# Altium PCB PCB_Motors.PcbDoc
Units mm, origin at the board's own origin, x right, y up, seen from the top; angles counter-clockwise.
Board outline 30.4 x 19 mm, 4 copper layers (Top Layer, MidPlane Top, MidPlane Bottom, Bottom Layer), stack 0.603 mm thick; 76 components, 50 nets, 278 pads, 280 vias.
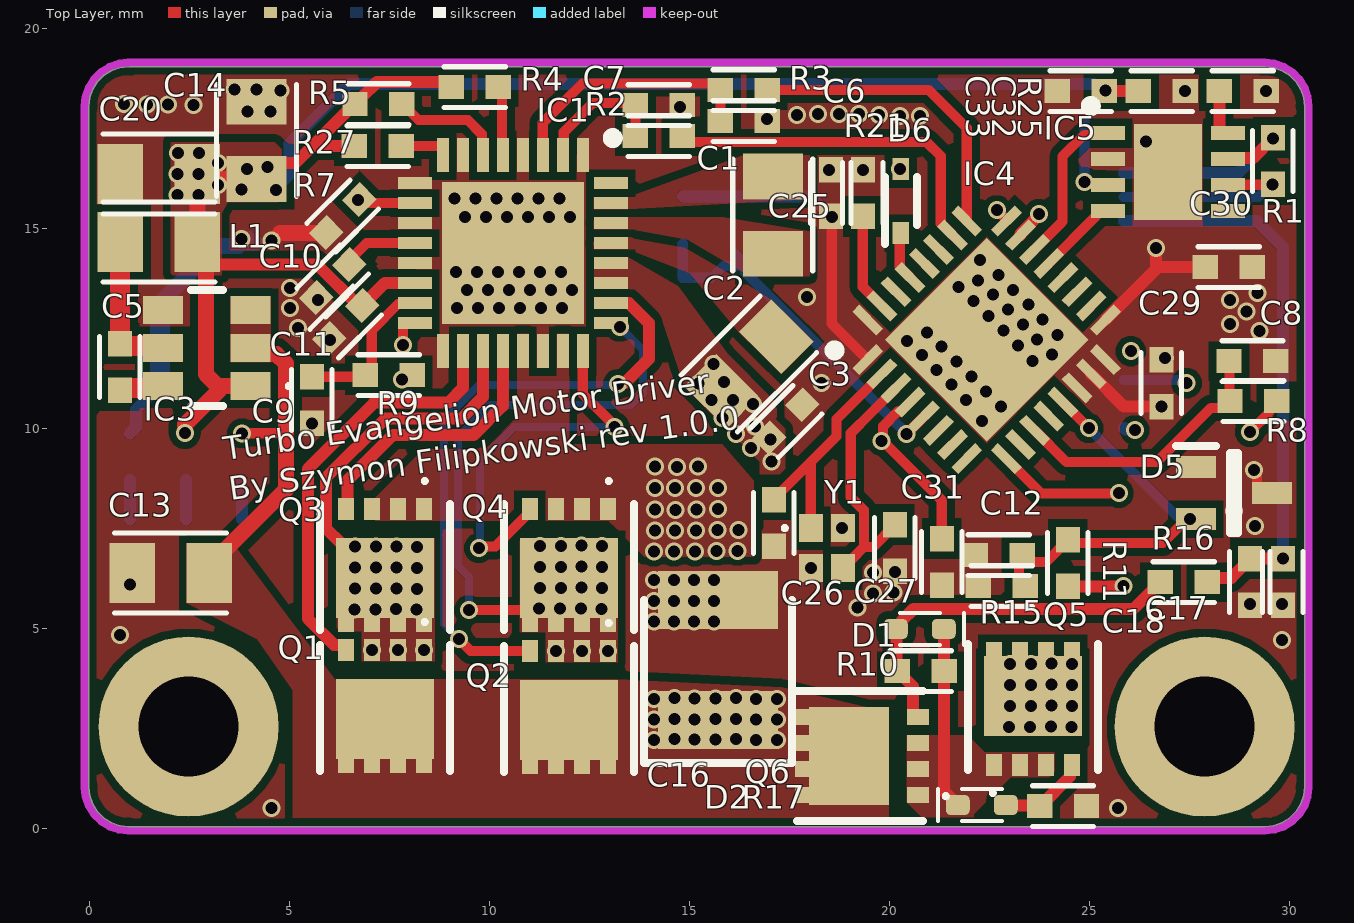
[diagram p0: Top Layer view]
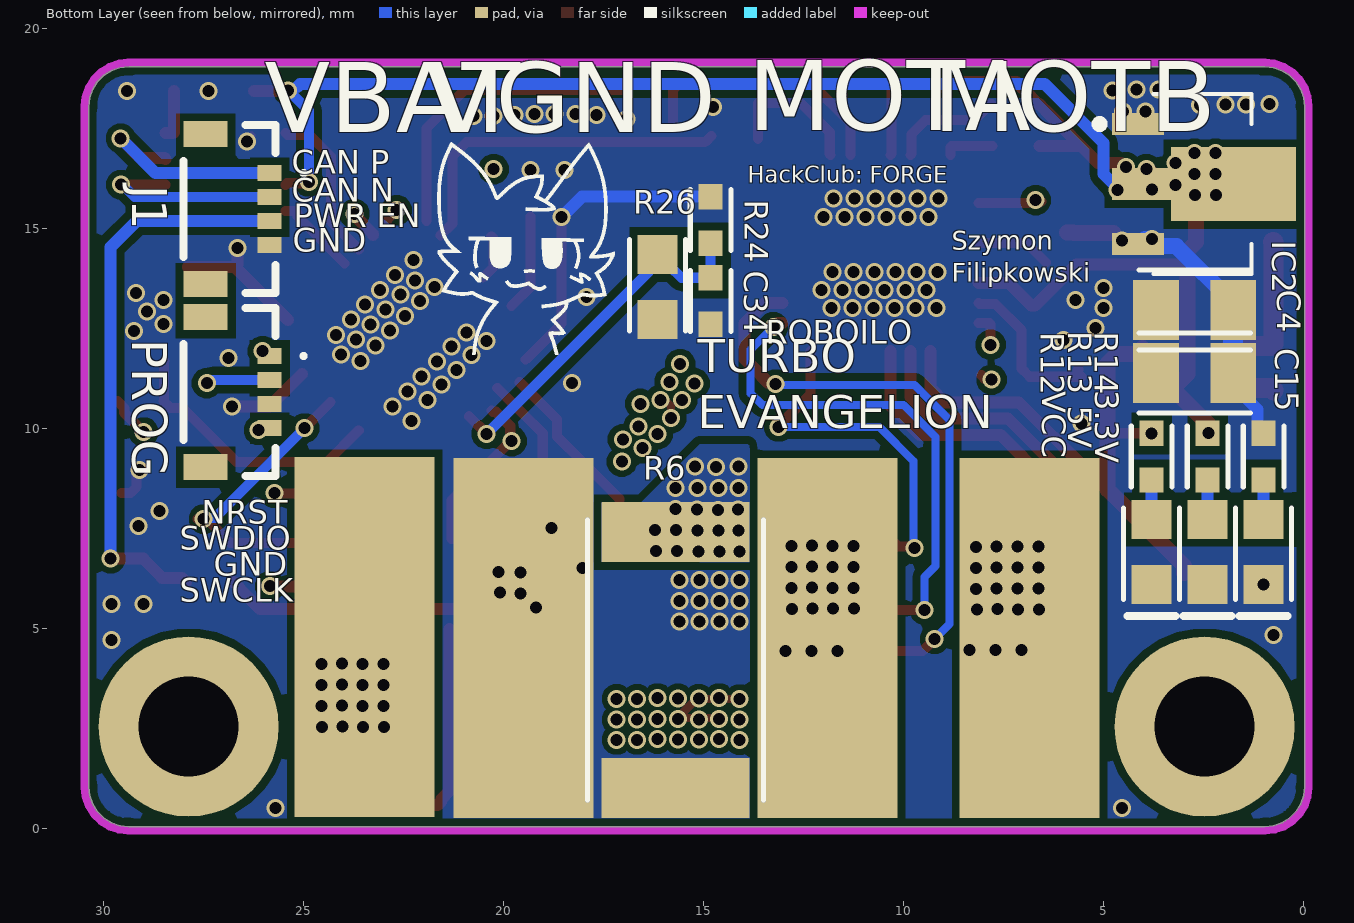
[diagram p1: Bottom Layer view, seen from below]
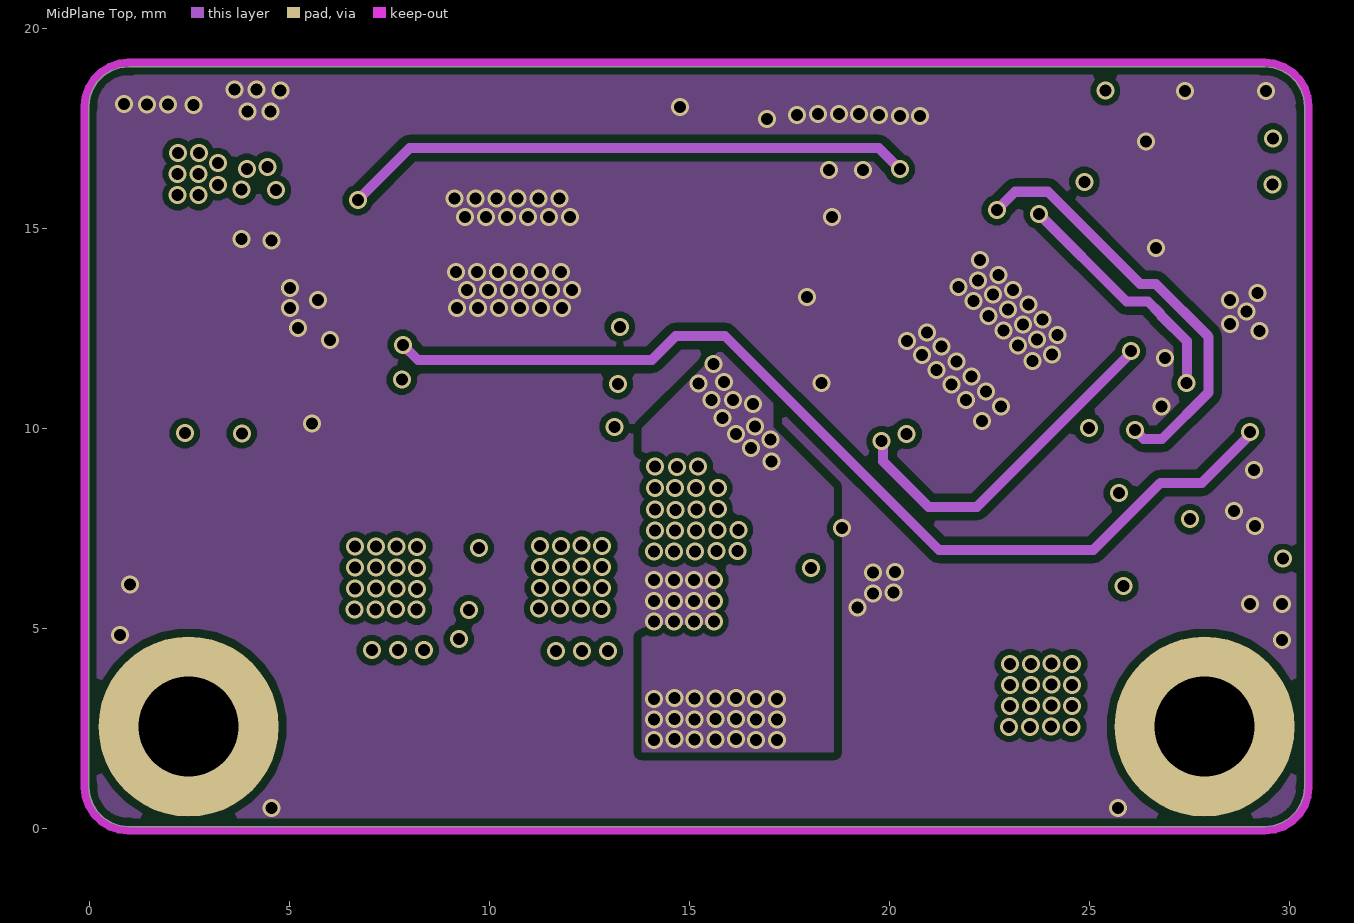
[diagram p2: MidPlane Top]
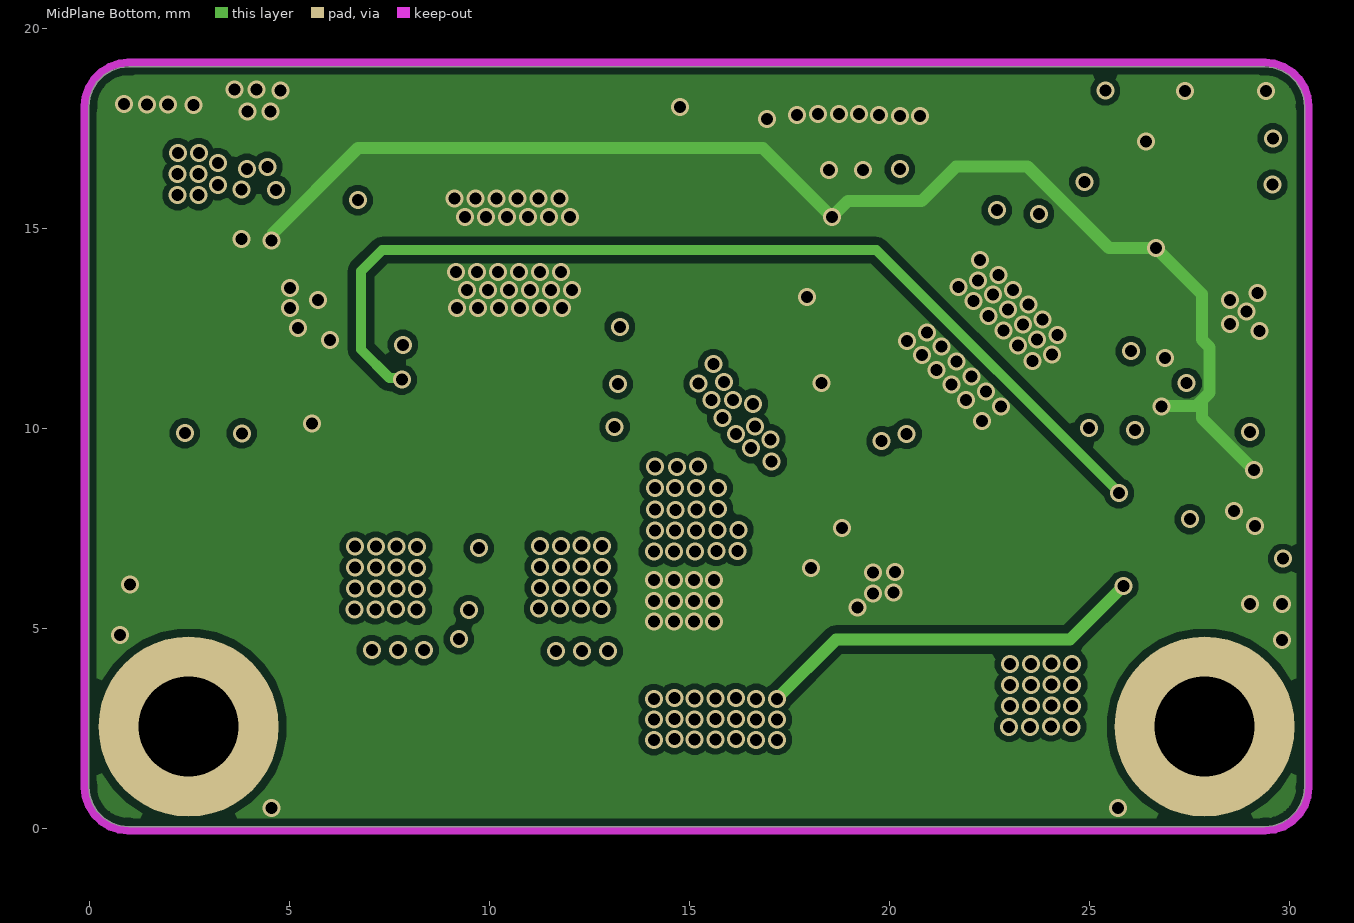
[diagram p3: MidPlane Bottom]
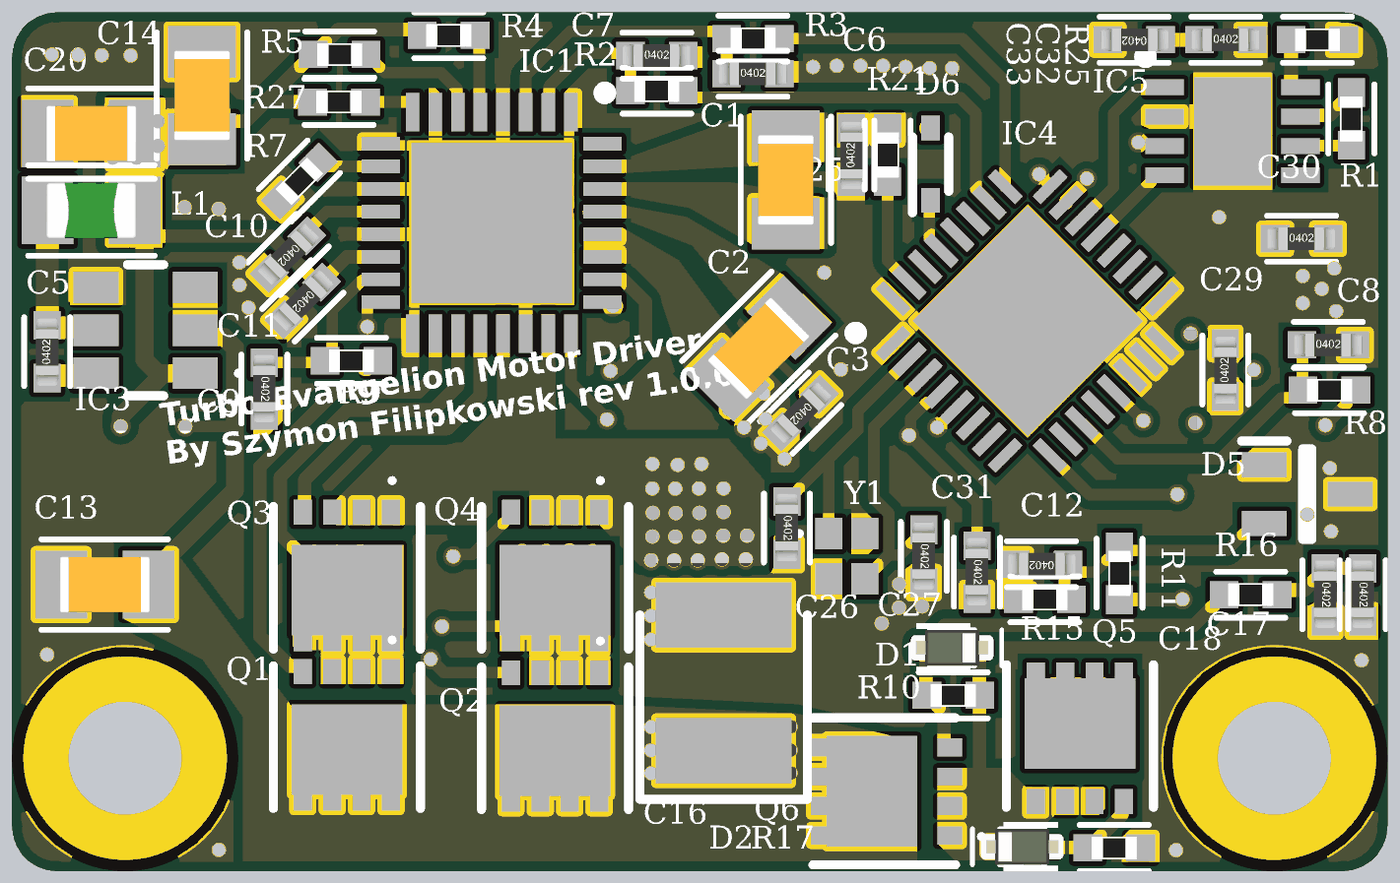
[diagram p4: 3D render of the assembled board from above, using the file's embedded part models]
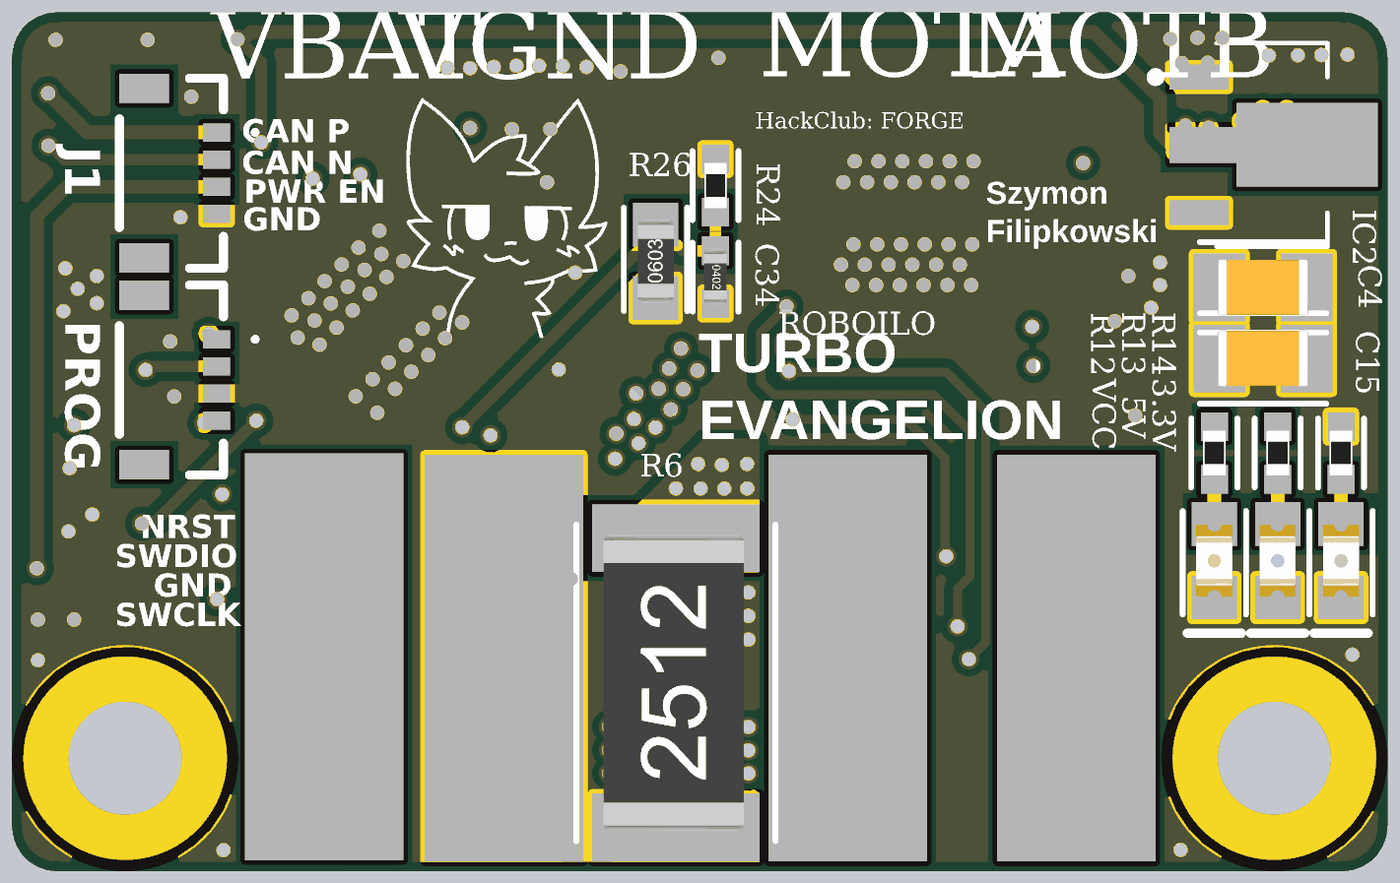
[diagram p5: 3D render of the assembled board from below, using the file's embedded part models]

## Layer stack, top to bottom
Top Solder: solder mask 0.0102, Solder Resist, Dk 3.5
Top Layer: signal copper 0.0356
Dielectric 2: prepreg 0.0711, PP-006, Dk 4.1
MidPlane Top: signal copper 0.035
Dielectric 1: dielectric 0.32, FR-4, Dk 4.8
MidPlane Bottom: signal copper 0.035
Dielectric 3: prepreg 0.0711, PP-006, Dk 4.1
Bottom Layer: signal copper 0.0356
Bottom Solder: solder mask 0.0102, Solder Resist, Dk 3.5

## Board outline
30.373,18.034 30.348,18.257 30.274,18.468 30.155,18.657 29.996,18.816 29.807,18.935 29.596,19.009 29.373,19.034 0.973,19.034 0.75,19.009 0.539,18.935 0.35,18.816 0.191,18.657 0.072,18.468 -0.002,18.257 -0.027,18.034 -0.027,1.034 -0.002,0.811 0.072,0.6 0.191,0.411 0.35,0.252 0.539,0.133 0.75,0.059 0.973,0.034 29.373,0.034 29.596,0.059 29.807,0.133 29.996,0.252 30.155,0.411 30.274,0.6 30.348,0.811 30.373,1.034

## Design rules (kind name [scope] priority, off if disabled: settings)
BoardOutlineClearance [All] p1: gap=0.2 ignorepadtopadclearanceinfootprint=FALSE
Clearance [All] p1: gap=0.2 ignorepadtopadclearanceinfootprint=TRUE except(0.1: Arc-Arc Arc-Track Arc-SMDPad Track-Track Track-SMDPad; 0.15: SMDPad-SMDPad Via-Fill Via-Poly Via-Region)
DiffPairsRouting [All] p1: maxlimit=10 minlimit=0.01 mostfreqgap=0.254 toplayer_minwidth=0.1 toplayer_maxwidth=2 toplayer_prefwidth=0.254 midlayer1_minwidth=0.1 midlayer1_maxwidth=2 midlayer1_prefwidth=0.254 midlayer2_minwidth=0.1 midlayer2_maxwidth=2 midlayer2_prefwidth=0.254 bottomlayer_minwidth=0.1 bottomlayer_maxwidth=2 bottomlayer_prefwidth=0.254 maxuncoupledlength=12.7
HoleSize [All] p1: absolutevalues=TRUE maxlimit=6 minlimit=0.3 maxpercent=80.000 minpercent=20.000
HoleToHoleClearance [All] p1: gap=0.2 allowstackedmicrovias=TRUE
MinimumSolderMaskSliver [All] p1: minsoldermaskwidth=0.13
PlaneClearance [All] p1: clearance=0.3
PlaneConnect PlaneConnect_1 [(HasFootprint('R 2512'))] p1: planeconnectstyle=Relief reliefexpansion=0.508 reliefentries=4 reliefconductorwidth=0.254 reliefairgap=0.254
PlaneConnect [All] p2: planeconnectstyle=Relief reliefexpansion=0.508 reliefentries=4 reliefconductorwidth=0.254 reliefairgap=0.254
PolygonConnect "Polygon Power Connection" [(HasFootprint('DFN 5x6')) OR  (HasFootprint('R 2512')) OR  IsVia OR  HasFootprint('SMD PAD')  OR  (HasFootprint('DJNR60454R5FERROCORE'))  OR  (HasFootprint ('SON50P200X200X80-9N-D')) OR (HasFootprint('SOT230P700X180-4N'))  OR    InNetClass('Power')] p1: connectstyle=Direct reliefconductorwidth=0.254 reliefentries=4 polygonreliefangle="90 Angle" airgapwidth=0.254 // Conection to high power components
PolygonConnect [All] p2: connectstyle=Direct reliefconductorwidth=0.254 reliefentries=4 polygonreliefangle="90 Angle" airgapwidth=0.254
RoutingVias [All] p1: holewidth=0.2 width=0.3 viastyle="Through Hole" minholewidth=0.2 minwidth=0.25 maxholewidth=6 maxwidth=1.27
SilkToSilkClearance [All] p1: silktosilkclearance=0.127
SilkToSolderMaskClearance [IsPad] p1: minsilkscreentomaskgap=0.15 clearancetoexposedcopper=TRUE
SolderMaskExpansion [All] p1: expansion=0.102 istentingtop=FALSE
Width [All] p1: maxlimit=1 minlimit=0.1 preferedwidth=0.2
22 further rules are at their usual default settings.

## Classes and differential pairs
component class U_PowerSupply: C4 C5 C13 C14 C15 C16 C17 C18 C20 D1 D2 IC2 IC3 L1 Q5 Q6 R10 R16 R17
component class U_MotorDriver: C1 C2 C3 C6 C7 C8 C9 C10 C11 IC1 Q1 Q2 Q3 Q4 R2 R3 R4 R5 R6 R7 R8 R9 R27
component class U_MCU: C12 C25 C26 C27 C29 C30 C31 C32 C33 C34 D5 D6 IC4 IC5 PROG R11 R15 R21 R24 R25 R26 Y1
component class U_Interface: 3.3V 5V J1 MOTA MOTB R12 R13 R14 VBAT "VBAT +" VGND "VGND -"
component class PCB_motors: R1

## Components (designator, comment, footprint, x,y, rotation, side; value= is the part's Value field where it differs from the comment)
3.3V "LED GREEN" "LED 0603 GREEN" 1,6.9 r270 bottom
5V "LED BLUE" "LED 0603 BLUE" 2.4,6.9 r270 bottom
C1 "100nF 100V" "C 0805" 17.075,15.325 r270 top
C2 "1uF 50V" "C 0805" 16.475,11.6 r225 top
C3 "100nF 50V" "C 0402" 17.402,10.168 r225 top
C4 "22uF" "C 0805" 2.725,12.95 r0 bottom
C5 "100nF" "C 0402" 0.75,11.525 r90 top
C6 "10pF" "C 0402" 16.35,17.675 r0 top
C7 "10pF" "C 0402" 14.225,18.075 r0 top
C8 "1nF" "C 0402" 29.066,11.675 r0 top
C9 "10pF" "C 0402" 5.55,10.7 r270 top
C10 "1uF" "C 0402" 6.075,13.675 r225 top
C11 "1uF" "C 0402" 6.4,12.65 r225 top
C12 "1uF" "C 0402" 22.725,6.825 r180 top
C13 "10uF 16v" "C 0805" 2.025,6.375 r0 top
C14 "22uF 16V" "C 0805" 4.172,17.194 r90 top
C15 "10uF" "C 0805" 2.725,11.375 r0 bottom
C16 "TL8B0336M020C (33uF tantalum cap)" CAPPC3528X100N 15.7,4.2 r90 top
C17 "1uF" "C 0402" 29.825,6.15 r270 top
C18 "100nF" "C 0402" 29,6.15 r270 top
C20 "22uF 16V" "C 0805" 1.725,16.35 r180 top
C25 "100nF" "C 0402" 18.525,15.875 r90 top
C26 "10pF" "C 0402" 17.1,7.625 r270 top
C27 "10pF" "C 0402" 20.125,7 r270 top
C29 "100nF" "C 0402" 26.789,11.121 r90 top
C30 "100nF" "C 0402" 28.475,14.025 r0 top
C31 "1uF" "C 0402" 21.3,6.65 r270 top
C32 "1uF" "C 0402" 26.8,18.425 r0 top
C33 "100nF" "C 0402" 24.775,18.425 r180 top
C34 "1uF" "C 0402" 14.825,13.175 r270 bottom
D1 "" SOD523 20.75,4.975 r0 top
D2 "" SOD523 22.3,0.575 r180 top
D5 "BAV199W-7" SOT65P210X110-3N 28.6,8.375 r0 top
D6 "BAS5202VH6327XTSA1" SODFL1608X59N 20.275,15.675 r90 top
IC1 "DRV8702QRHBRQ1" QFN50P500X500X90-33N-D 10.575,14.375 r270 top
IC2 "AZ1117CR2-3.3TRG1" AZ1117CR33TRG1 1.3,16.1 r270 bottom
IC3 "AP63203WU-7" AP63203WU7 2.925,12 r90 top
IC4 "STM32G431K6U3" QFN50P500X500X60-33N-D 22.42,12.205 r45 top locked
IC5 "TCAN1042VDRBTQ1" SON65P300X300X100-9N-D 26.95,16.4 r0 top
J1 "DF53-4S-0.6H" DF534S06H 26.775,15.475 r270 bottom
L1 "22uH" "L 0805" 1.725,14.65 r180 top
MOTA "banana_plug" "Banana plug 3mm half" 11.9,4.75 r180 bottom locked
MOTB "banana_plug" "Banana plug 3mm half" 6.85,4.75 r180 bottom locked
PROG "DF53-4S-0.6H" DF534S06H 26.775,10.9 r270 bottom
Q1 "Model?" DFN33 7.375,3 r180 top
Q2 "Model?" DFN33 11.975,2.975 r180 top
Q3 "Model?" DFN33 7.375,6.525 r180 top
Q4 "Model?" DFN33 11.975,6.525 r180 top
Q5 "P mos power" dfn33 23.575,3.025 r0 top
Q6 "P mos power" dfn33 19.25,1.8 r90 top
R1 "120R" "R 0402" 29.575,16.675 r270 top
R2 "1k" "R 0402" 14.225,17.3 r180 top
R3 "1k" "R 0402" 16.35,18.45 r180 top
R4 "470R" "R 0402" 9.625,18.525 r0 top
R5 "470R" "R 0402" 7.216,18.1 r0 top
R6 "20mR" "R 2512" 15.7,4.2 r90 bottom
R7 "10k" "R 0402" 6.325,15.3 r225 top
R8 "10k" "R 0402" 29.091,10.675 r0 top
R9 "10k" "R 0402" 7.475,11.325 r180 top
R10 "47K" "R 0402" 20.775,3.925 r0 top
R11 "91k" "R 0402" 24.45,6.625 r270 top
R12 "10k" "R 0402" 3.8,9.284 r90 bottom
R13 "2.1K" "R 0402" 2.4,9.284 r90 bottom
R14 "1k" "R 0402" 1,9.284 r90 bottom
R15 "10k" "R 0402" 22.8,6.05 r0 top
R16 "10K" "R 0402" 27.35,6.15 r180 top
R17 "10k" "R 0402" 24.334,0.55 r180 top
R21 "100k" "R 0402" 19.325,15.875 r270 top
R24 "10k" "R 0402" 14.825,15.2 r90 bottom
R25 "10k" "R 0402" 28.825,18.425 r180 top
R26 "NTC 10k" "R 0603" 16.15,13.525 r90 bottom
R27 "10K" "R 0402" 7.2,17.05 r0 top
VBAT "banana_plug" "Banana plug 3mm half" 23.475,4.775 r180 bottom
VCC "LED RED" "LED 0603 RED" 3.8,6.9 r270 bottom
VGND "banana_plug" "Banana plug 3mm half" 19.5,4.75 r180 bottom
Y1 "US3200005Z" US3200005Z 18.425,7 r270 top

## Footprints (in the part's own frame and the unit in brackets; to place one, negate y for a bottom-side part, rotate by r counter-clockwise, add the part's x,y. Pads: shape width x height; smd on the part's side, far side on the other; paste and mask are expansions set on the pad)
AP63203WU7 [mm]
  rect 0.7x1 smd: 1(-0.95,-1.099) 2(0,-1.099) 3(0.95,-1.099) 4(0.95,1.099) 5(0,1.099) 6(-0.95,1.099)
  silkscreen extent -1.45,-2.1 1.45,0.4, body extent -1.45,-1.45 1.45,1.45, height 1
AZ1117CR33TRG1 [mm]
  rect 0.55x1.3 smd: 1(-1.5,-2.838) 3(1.5,-2.838)
  rect 0.8x1.475 smd: 2(0,-2.75)
  rect 1.85x3.125 smd: 4(0,-0.45)
  silkscreen extent -2.25,-3.9 2.25,0, body extent -2.2,-3.37 2.2,0.58, height 1.4
"Banana plug 3mm half" [mm]
  rect 3.5x9 smd: 1(0,0)
"C 0402" [mm] "MLCC Capacitor 0402"
  rect 0.635x0.6 smd: 1(-0.584,0) 2(0.584,0)
  silkscreen extent -0.76,-0.51 0.76,0.51, body extent -0.76,-0.25 0.74,0.25, height 0.35
"C 0805" [mil]
  rect 45x59.06 smd: 1(-38,0) 2(38,0)
  silkscreen extent -55,-39 55,39, body extent -39,-25 39,25, height 49
CAPPC3528X100N [mm]
  rect 1.45x3 smd: 1(-1.5,0) 2(1.5,0)
  silkscreen extent -2.58,-1.85 1.5,1.85, body extent -1.75,-1.4 1.75,1.4, height 1
DF534S06H [mm]
  rect 0.4x0.6 smd: 1(-0.9,0.925) 2(-0.3,0.925) 3(0.3,0.925) 4(0.9,0.925)
  rect 0.65x1.1 smd: 5(-1.875,-0.675) 6(1.875,-0.675)
  silkscreen extent -2.1,-1.22 2.1,1.83, body extent -2.13,-1.22 2.13,1.18, height 1.75
DFN33 [mm]
  rect 0.4x0.55 smd: 1(-0.975,-1.45) 2(-0.325,-1.45) 3(0.325,-1.45) 4(0.975,-1.45)
  rect 0.4x0.4 smd: 5_8(-0.975,1.425) 5_8(-0.325,1.425) 5_8(0.325,1.425) 5_8(0.975,1.425)
  rect 2.45x2 smd: 5_8(0,0.275)
  silkscreen extent -1.63,-2.2 1.63,1.58, body extent -1.6,-1.65 1.6,1.55, height 0.8
dfn33 [mm]
  rect 0.4x0.55 smd: 1(-0.975,-1.45) 2(-0.325,-1.45) 3(0.325,-1.45) 4(0.975,-1.45)
  rect 0.4x0.4 smd: 5_8(-0.975,1.425) 5_8(-0.325,1.425) 5_8(0.325,1.425) 5_8(0.975,1.425)
  rect 2.45x2 smd: 5_8(0,0.275)
  silkscreen extent -1.63,-2.2 1.63,1.58, body extent -1.6,-1.65 1.6,1.55, height 0.8
"L 0805" [mil]
  rect 45x59.06 smd: 1(-38,0) 2(38,0)
  silkscreen extent -55,-39 55,39, body extent -39,-25 39,25, height 24
"LED 0603 BLUE" [mil]
  rect 38x39.37 smd: 1(-32,0) 2(32,0)
  silkscreen extent -43,-28 63,28, body extent -31,-16 31,16, height 22
"LED 0603 GREEN" [mil]
  rect 38x39.37 smd: 1(-32,0) 2(32,0)
  silkscreen extent -43,-28 63,28, body extent -31,-16 31,16, height 22
"LED 0603 RED" [mil]
  rect 38x39.37 smd: 1(-32,0) 2(32,0)
  silkscreen extent -43,-28 63,28, body extent -31,-16 31,16, height 22
QFN50P500X500X60-33N-D [mm]
  rect 0.85x0.25 smd: 1(-2.45,1.75) 2(-2.45,1.25) 3(-2.45,0.75) 4(-2.45,0.25) 5(-2.45,-0.25) 6(-2.45,-0.75) 7(-2.45,-1.25) 8(-2.45,-1.75) 17(2.45,-1.75) 18(2.45,-1.25) 19(2.45,-0.75) 20(2.45,-0.25) 21(2.45,0.25) 22(2.45,0.75) 23(2.45,1.25) 24(2.45,1.75)
  rect 0.25x0.85 smd: 9(-1.75,-2.45) 10(-1.25,-2.45) 11(-0.75,-2.45) 12(-0.25,-2.45) 13(0.25,-2.45) 14(0.75,-2.45) 15(1.25,-2.45) 16(1.75,-2.45) 25(1.75,2.45) 26(1.25,2.45) 27(0.75,2.45) 28(0.25,2.45) 29(-0.25,2.45) 30(-0.75,2.45) 31(-1.25,2.45) 32(-1.75,2.45)
  rect 3.6x3.6 smd: 33(0,0)
  silkscreen extent -3,2.38 -2.75,2.62, body extent -2.55,-2.55 2.55,2.55, height 0.6
QFN50P500X500X90-33N-D [mm]
  rect 0.85x0.3 smd: 1(-2.45,1.75) 2(-2.45,1.25) 3(-2.45,0.75) 4(-2.45,0.25) 5(-2.45,-0.25) 6(-2.45,-0.75) 7(-2.45,-1.25) 8(-2.45,-1.75) 17(2.45,-1.75) 18(2.45,-1.25) 19(2.45,-0.75) 20(2.45,-0.25) 21(2.45,0.25) 22(2.45,0.75) 23(2.45,1.25) 24(2.45,1.75)
  rect 0.3x0.85 smd: 9(-1.75,-2.45) 10(-1.25,-2.45) 11(-0.75,-2.45) 12(-0.25,-2.45) 13(0.25,-2.45) 14(0.75,-2.45) 15(1.25,-2.45) 16(1.75,-2.45) 25(1.75,2.45) 26(1.25,2.45) 27(0.75,2.45) 28(0.25,2.45) 29(-0.25,2.45) 30(-0.75,2.45) 31(-1.25,2.45) 32(-1.75,2.45)
  rect 3.55x3.55 smd: 33(0,0)
  silkscreen extent -3,2.38 -2.75,2.63, body extent -2.55,-2.55 2.55,2.55, height 0.9
"R 0402" [mm]
  rect 0.635x0.6 smd: 1(-0.584,0) 2(0.584,0)
  silkscreen extent -0.76,-0.51 0.76,0.51, body extent -0.5,-0.25 0.5,0.25, height 0.31
"R 0603" [mil]
  rect 38x39.37 smd: 1(-32,0) 2(32,0)
  silkscreen extent -43,-28 47,28, body extent -41,-16 41,15, height 20
"R 2512" [mm]
  rect 1.5x3.7 smd: 1(-3.2,0) 2(3.2,0)
  silkscreen extent -3.5,-2.2 3.5,2.2, body extent -3.4,-1.5 3.4,1.6, height 0.6
SOD523 [mm]
  rrect50% 0.6x0.5 smd mask+0.05: 1(-0.6,0) 2(0.6,0)
  silkscreen extent -0.5,-0.4 1.1,0.4, body extent -0.91,-0.55 0.91,0.55, height 0.61
SODFL1608X59N [mm]
  rect 0.55x0.42 smd: 1(-0.8,0) 2(0.8,0)
  silkscreen extent -1.07,-0.4 0.6,0.4, body extent -0.8,-0.4 0.8,0.4, height 0.59
SON65P300X300X100-9N-D [mm]
  rect 0.85x0.35 smd: 1(-1.5,0.975) 2(-1.5,0.325) 3(-1.5,-0.325) 4(-1.5,-0.975) 5(1.5,-0.975) 6(1.5,-0.325) 7(1.5,0.325) 8(1.5,0.975)
  rect 1.7x2.4 smd: 9(0,0)
  silkscreen extent -2.05,1.53 -1.8,1.77, body extent -1.55,-1.5 1.55,1.5, height 1
SOT65P210X110-3N [mm]
  rect 1x0.55 smd: 1(-0.95,0.65) 2(-0.95,-0.65) 3(0.95,0)
  silkscreen extent -1.45,-1 0.1,1.17, body extent -1.05,-1 1.05,1, height 1.1
US3200005Z [mm]
  rect 0.7x0.6 smd: 1(-0.5,-0.4) 2(0.5,-0.4) 3(0.5,0.4) 4(-0.5,0.4)
  silkscreen extent -0.55,-1.1 -0.45,-1, body extent -0.8,-0.6 0.8,0.6, height 0.35

## Part data
C1 C2 C3 C4 C5 C6 C7 C8 C9 C10 C11 C12 C13 C14 C15 C17 C18 C20 C25 C26 C27 C29 C30 C31 C32 C33 C34: library part Capacitor, "MLCC Capacitor"
C16: library part TL8B0336M020C, "Capacitor Polarised", Manufacturer_Name=Vishay, Mouser Part Number=74-TL8B0336M020C, Datasheet Link=https://componentsearchengine.com/Datasheets/2/TL8B0336M020C.pdf, Height=1mm, Manufacturer_Part_Number=TL8B0336M020C, Mouser Price/Stock=https://www.mouser.com/Search/Refine.aspx?Keyword=74-TL8B0336M020C
D1 D2: library part BZX585, "Zener Diode sod523"
D5: "Diode", Manufacturer_Name="Diodes Incorporated", Mouser Part Number=621-BAV199W-7, Arrow Part Number=BAV199W-7, Arrow Price/Stock=https://www.arrow.com/en/products/bav199w-7/diodes-incorporated?utm_currency=USD&region=europe, Datasheet Link=https://www.diodes.com//assets/Datasheets/ds30462.pdf, Height=1.1mm, Manufacturer_Part_Number=BAV199W-7, Mouser Price/Stock=https://www.mouser.co.uk/ProductDetail/Diodes-Incorporated/BAV199W-7?qs=rGAXPo9uwV1rE3JSBcdiXg%3D%3D
D6: "Schottky Diode", Manufacturer_Name=Infineon, Mouser Part Number=726-BAS5202VH6327XTS, Arrow Part Number=BAS5202VH6327XTSA1, Arrow Price/Stock=https://www.arrow.com/en/products/bas5202vh6327xtsa1/infineon-technologies-ag?region=nac, Datasheet Link=https://www.infineon.com/dgdl/Infineon-BAS52SERIES-DS-v01_01-en.pdf?fileId=db3a30432d9b3066012dbc006764413f, Height=0.59mm, Manufacturer_Part_Number=BAS5202VH6327XTSA1, Mouser Price/Stock=https://www.mouser.co.uk/ProductDetail/Infineon-Technologies/BAS5202VH6327XTSA1?qs=K00xGehIljufuNhwzhyNvA%3D%3D
IC1: "Integrated Circuit", Manufacturer_Name="Texas Instruments", Mouser Part Number=595-DRV8702QRHBRQ1, Arrow Part Number=DRV8702QRHBRQ1, Arrow Price/Stock=https://www.arrow.com/en/products/drv8702qrhbrq1/texas-instruments, Datasheet Link=http://www.ti.com/lit/gpn/drv8702-q1, Height=0.9mm, Manufacturer_Part_Number=DRV8702QRHBRQ1, Mouser Price/Stock=https://www.mouser.co.uk/ProductDetail/Texas-Instruments/DRV8702QRHBRQ1?qs=%2FP2Ij7fVdhHl2UejmZfGTw%3D%3D
IC2: "Integrated Circuit", Manufacturer_Name="Diodes Incorporated", Mouser Part Number=621-AZ1117CR2-3.3TRG, Arrow Part Number=AZ1117CR2-3.3TRG1, Arrow Price/Stock=https://www.arrow.com/en/products/az1117cr2-3.3trg1/diodes-incorporated?region=nac, Datasheet Link=https://www.diodes.com//assets/Datasheets/AZ1117C.pdf, Height=2mm, Manufacturer_Part_Number=AZ1117CR2-3.3TRG1, Mouser Price/Stock=https://www.mouser.co.uk/ProductDetail/Diodes-Incorporated/AZ1117CR2-3.3TRG1?qs=5V6w%252Be2aIqYfcUw02pVLDg%3D%3D
IC3: "Integrated Circuit", Manufacturer_Name="Diodes Incorporated", Mouser Part Number=621-AP63203WU-7, Arrow Part Number=AP63203WU-7, Arrow Price/Stock=https://www.arrow.com/en/products/ap63203wu-7/diodes-incorporated?utm_currency=USD&region=europe, Datasheet Link=https://www.diodes.com/assets/Datasheets/AP63200-AP63201-AP63203-AP63205.pdf, Height=1mm, Manufacturer_Part_Number=AP63203WU-7, Mouser Price/Stock=https://www.mouser.co.uk/ProductDetail/Diodes-Incorporated/AP63203WU-7?qs=u16ybLDytRZ1JqxbuLkMJw%3D%3D
IC4: "Integrated Circuit", Manufacturer_Name=STMicroelectronics, Mouser Part Number=511-STM32G431K6U3, Arrow Part Number=STM32G431K6U3, Arrow Price/Stock=https://www.arrow.com/en/products/stm32g431k6u3/stmicroelectronics?region=nac, Datasheet Link=https://www.st.com/resource/en/datasheet/stm32g431k6.pdf, Height=0.6mm, Manufacturer_Part_Number=STM32G431K6U3, Mouser Price/Stock=https://www.mouser.co.uk/ProductDetail/STMicroelectronics/STM32G431K6U3?qs=uwxL4vQweFNNCBjyEC1BUQ%3D%3D
IC5: "Integrated Circuit", Manufacturer_Name="Texas Instruments", Mouser Part Number=595-TCAN1042VDRBTQ1, Arrow Part Number=TCAN1042VDRBTQ1, Arrow Price/Stock=https://www.arrow.com/en/products/tcan1042vdrbtq1/texas-instruments?region=nac, Datasheet Link=http://www.ti.com/lit/gpn/tcan1042v-q1, Height=1mm, Manufacturer_Part_Number=TCAN1042VDRBTQ1, Mouser Price/Stock=https://www.mouser.co.uk/ProductDetail/Texas-Instruments/TCAN1042VDRBTQ1?qs=HXFqYaX1Q2wv7WXgCzMaig%3D%3D
J1 PROG: "Connector", Manufacturer_Name=Hirose, Mouser Part Number=798-DF53-4S-0.6H, Datasheet Link=https://www.mouser.com/datasheet/3/339/1/MN_ToggleSections_DP.pdf, Height=1.65mm, Manufacturer_Part_Number=DF53-4S-0.6H, Mouser Price/Stock=https://www.mouser.co.uk/ProductDetail/Hirose-Connector/DF53-4S-0.6H?qs=wT7LY0lnAe3EZ%2FSBt8i8pg%3D%3D
L1: library part Inductor, "General pourpouse inductor"
MOTA MOTB VBAT VGND: "banana plug for high current scenarios"
Q1 Q2 Q3 Q4: library part "Power MOSFET", "N-Mosfet DFN 5x6"
R1 R2 R3 R4 R5 R6 R7 R8 R9 R10 R11 R12 R13 R14 R15 R16 R17 R21 R24 R25 R26 R27: library part Resistor, "General pourpouse resistor"
Y1: "Crystal or Oscillator", Manufacturer_Name="Diodes Incorporated", Mouser Part Number=729-US3200005Z, Arrow Part Number=US3200005Z, Arrow Price/Stock=https://www.arrow.com/en/products/us3200005z/diodes-incorporated?region=nac, Datasheet Link=https://www.digikey.com/en/products/detail/diodes-incorporated/US3200005Z/6049201, Height=0.4mm, Manufacturer_Part_Number=US3200005Z, Mouser Price/Stock=https://www.mouser.co.uk/ProductDetail/Diodes-Incorporated/US3200005Z?qs=ZrPdAQfJ6DNKaEa1UhmxSg%3D%3D

## Free pads (board coordinates)
  round 4.5 hole 2.5 mask+0.25: 1(2.473,2.534) 1(27.873,2.534)

## Via types
v1: diameter 0.45, hole 0.3, Top Layer to Bottom Layer, tented both sides, 280 vias

## Nets (pads, with @x,y where several pads share a name; then routed paths per layer and width w, separated by ;. In a path a pad name is that pad's centre, name@x,y a point inside that pad or via, vN(x,y) a via of type N, cw(c..) or ccw(c..) an arc to the next point about the centre after c; other vN are vias at no path point)
3.3v: 3.3V.2 5V.2 C3.1 C4.1 C4.2 C6.2 C7.2 C8.2 C9.2 C10.2 C11.2 C12.2 C13.1 C14.2 C15.1 C15.2 C16.2 C17.2 C18.2 C20.2 C25.1 C25.2 C26.2 C27.2 C29.1 C29.2 C30.1 C30.2 C31.2 C32.2 C33.2 C34.2 D5.1 D5.3 IC1.1 IC1.4 IC1.7 IC1.9 IC1.11 IC1.13 IC1.17 IC1.22 IC1.33 IC2.1 IC2.3 IC3.4 IC4.1 IC4.14 IC4.15 IC4.16 IC4.17 IC4.32 IC4.33 IC5.2 IC5.9 J1.4 PROG.3 R6.1 R7.2 R14.2 R15.1 R17.1 R21.1 R24.2 R25.1 R26.1 VCC.2 VGND.1 Y1.2 Y1.4 | length 55.6
  Top Layer w0.2: v1(14.759,18.025) C7.2 ; IC5.9@26.299,17.317 26.412,17.204 v1(26.412,17.167)
  Top Layer w0.254: v1(18.55,15.275) 18.55,12.61 IC4.1 ; v1(29.1,8.95) 29.1,8.91 29.177,8.833 29.177,8.523 29.325,8.375 D5.3
  Top Layer w0.3: IC4.15 25.856,10.537 v1(26.789,10.537) ; IC4.17 26.715,14.025 ; v1(26.65,14.5) 26.65,14.09 26.715,14.025 ; C30.1 26.715,14.025
  Top Layer w0.4: 4.758,14.875 5.758,14.875 5.77,14.887 R7.2
  MidPlane Bottom w0.3: v1(4.541,14.685) 4.58,14.723 4.58,14.874 6.706,17 16.825,17 v1(18.55,15.275) 18.95,15.675 20.797,15.675 21.659,16.537 23.443,16.537 25.48,14.5 v1(26.65,14.5) 27.8,13.35 27.8,12.214 27.994,12.019 27.994,10.883 27.8,10.688 ; v1(26.789,10.537) 26.798,10.546 27.658,10.546 27.8,10.688 ; v1(29.1,8.95) 27.8,10.25 27.8,10.688
  Bottom Layer w0.3: R14.2 1.15,10.018 1.15,10.462 1.76,11.071 C15.1@1.76,11.25 ; R24.2 18.041,15.784 v1(18.55,15.275)
  Bottom Layer w0.4: C4.1@1.76,12.825 C4.1 1.76,13.129 3.181,14.55 3.713,14.55 IC2.3@3.788,14.625 ; v1(3.788,14.721) 3.963,14.721 IC2.3@4.059,14.625 ; IC2.3@3.981,14.625 IC2.3@4.059,14.625 ; IC2.3@4.138,14.625 IC2.3@4.059,14.625
  Bottom Layer w0.5: C15.1@1.76,11.25 C15.1 C4.1@1.76,12.825
  other v1: 25.7,0.5 4.545,0.507 29.8,4.7 0.75,4.825 14.1,5.158 14.6,5.158 15.1,5.158 15.6,5.158 19.196,5.516 29,5.6 29.8,5.6 14.1,5.682 14.6,5.682 15.1,5.682 15.6,5.682 19.576,5.863 20.089,5.893 1,6.087 14.1,6.2 14.6,6.2 15.1,6.2 15.6,6.2 19.58,6.387 20.125,6.4 18.025,6.5 18.8,7.5 29.125,7.55 28.6,7.925 5.55,10.116 22.3,10.175 22.777,10.54 21.907,10.705 22.403,10.918 21.549,11.084 18.29,11.131 22.047,11.287 21.173,11.453 21.666,11.669 23.574,11.681 26.879,11.752 20.801,11.825 24.06,11.837 21.297,12.038 23.2,12.059 20.425,12.175 6,12.2 23.686,12.215 24.195,12.329 20.927,12.39 22.842,12.438 29.238,12.422 5.2,12.5 23.328,12.594 28.5,12.6 23.821,12.708 22.467,12.807 28.921,12.915 22.952,12.963 5,13 9.175,13 9.7,13 10.225,13 10.75,13 11.275,13 11.8,13 23.463,13.087 5.7,13.2 22.095,13.179 28.5,13.2 17.925,13.275 22.58,13.335 29.195,13.37 9.425,13.45 9.95,13.45 10.475,13.45 11,13.45 11.525,13.45 12.05,13.45 23.087,13.455 5,13.5 21.724,13.531 22.21,13.687 22.715,13.828 9.15,13.9 9.675,13.9 10.2,13.9 10.725,13.9 11.25,13.9 11.775,13.9 22.255,14.202 9.375,15.275 9.9,15.275 10.425,15.275 10.95,15.275 11.475,15.275 12,15.275 9.123,15.738 9.648,15.738 10.173,15.738 10.698,15.738 11.223,15.738 11.748,15.738 18.475,16.448 19.325,16.448 16.925,17.725 20.25,17.8 20.75,17.8 17.675,17.825 19.725,17.825 18.2,17.85 18.725,17.85 19.225,17.85 3.947,17.919 4.515,17.909 2.594,18.078 0.856,18.097 1.434,18.087 1.954,18.083 27.375,18.425 29.409,18.425 4.772,18.444 3.622,18.469 4.172,18.469